# Altium PCB LimePSB-RPCM_1v3.PcbDoc (part 2 of 10) (continued)
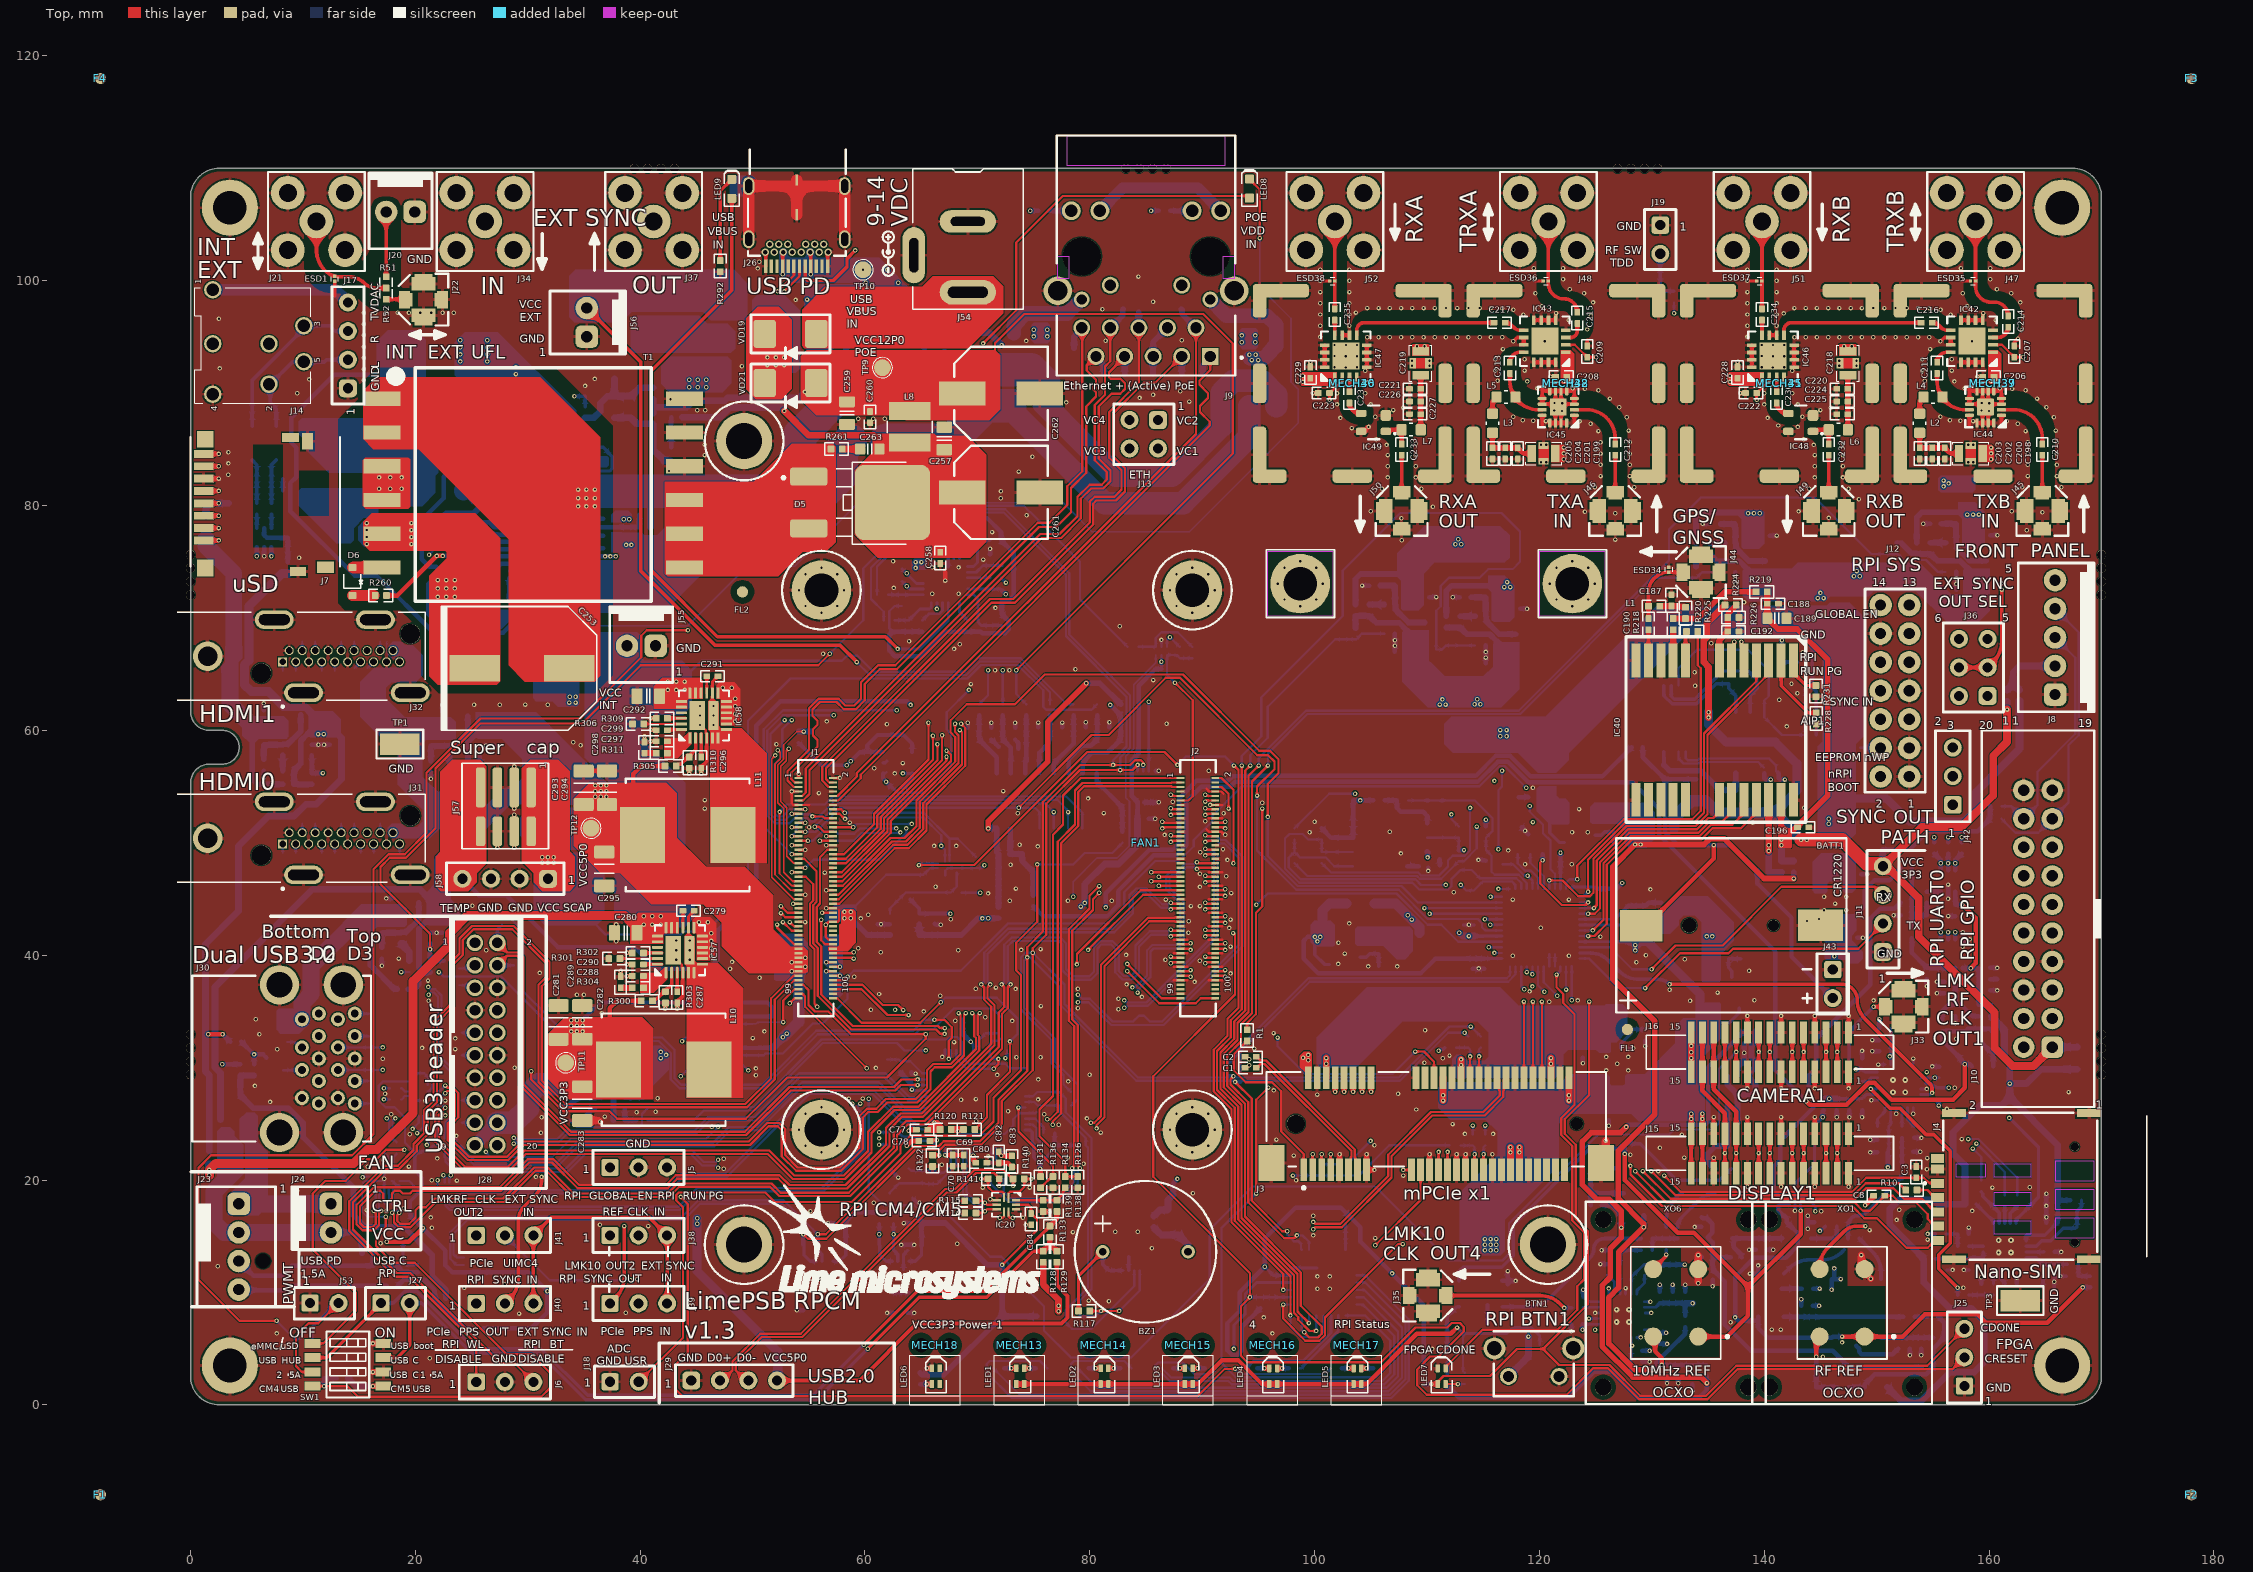
[diagram p0: Top view]
## Footprints (in the part's own frame and the unit in brackets; to place one, negate y for a bottom-side part, rotate by r counter-clockwise, add the part's x,y. Pads: shape width x height; smd on the part's side, far side on the other; paste and mask are expansions set on the pad)
12CWQ06FN_diode_array_DPAK [mm]
  round 0.508 on Mech15: 0(0,0)
  rrect25% 3.3x1.6 smd: 1(3.526,-2.3) 3(3.526,2.3)
  rrect25% 6.7x6.7 smd: 2(-3.926,0)
  silkscreen extent -5.13,-3.6 5.9,3.7, body extent -5.93,-3.37 4.17,3.37, height 2.37
74AHCT1G126SE-7_BUFFER_SOT353 [mm]
  rect 1x0.36 smd mask+0.05: 1(-0.965,0.66) 2(-0.965,0) 3(-0.965,-0.66) 4(0.965,-0.66) 5(0.965,0.66)
  silkscreen extent -1.17,-1.1 0.63,1.25, body extent -1.15,-1.05 1.15,1.05, height 1
74LVC1G3157FZ4_SPDT_SW_DFN1410-6 [mm]
  rect 0.525x0.25 smd mask+0.05: 1(-0.362,0.5) 2(-0.362,0) 3(-0.362,-0.5) 4(0.363,-0.5) 5(0.363,0) 6(0.363,0.5)
  silkscreen extent -0.82,-0.8 0.5,0.9, body extent -0.51,-0.7 0.51,0.7, height 0.4
874370443_1P5_SMD_HEADER [mm] "Supercapacitor 1.5mm pitch header"
  rrect50% 3.55x0.85 smd mask+0.05: 1(-1.95,2.25) 2(-1.95,0.75) 3(-1.95,-0.75) 4(-1.95,-2.25)
  rrect50% 2.65x0.85 smd mask+0.05: 1(1.95,2.25) 2(1.95,0.75) 3(1.95,-0.75) 4(1.95,-2.25)
  silkscreen extent -4.1,-3.9 3.5,3.8, body extent -3.25,-3.7 2.75,3.6, height 5.77
AD5601_SOT23-6 [mm] "SOT23, 6-Leads, Body 2x1.3mm, Pitch 0.65mm, Lead Span 2.1mm, IPC Medium Density"
  rect 0.85x0.4 smd mask+0.05: 1(-0.95,0.65) 2(-0.95,0) 3(-0.95,-0.65) 4(0.95,-0.65) 5(0.95,0) 6(0.95,0.65)
  silkscreen extent -1.07,-1.1 0.15,1.52, body extent -1.05,-1 1.05,1, height 0.43
AD5662_SOT23-8 [mm]
  rect 1x0.4 smd mask+0.05: 1(-1.25,0.975) 2(-1.25,0.325) 3(-1.25,-0.325) 4(-1.25,-0.975) 5(1.25,-0.975) 6(1.25,-0.325) 7(1.25,0.325) 8(1.25,0.975)
  silkscreen extent -1.29,-1.4 0.3,1.51, body extent -1.4,-1.49 1.4,1.45, height 1.2
ADF4002 [mm]
  rect 0.85x0.3 smd mask+0.05: 1(-2.05,1) 2(-2.05,0.5) 3(-2.05,0) 4(-2.05,-0.5) 5(-2.05,-1) 11(2.05,-1) 12(2.05,-0.5) 13(2.05,0) 14(2.05,0.5) 15(2.05,1)
  rect 0.3x0.85 smd mask+0.05: 6(-1,-1.9) 7(-0.5,-1.9) 8(0,-1.9) 9(0.5,-1.9) 10(1,-1.9) 16(1,1.9) 17(0.5,1.9) 18(0,1.9) 19(-0.5,1.9) 20(-1,1.9)
  rect 2.1x2.1 smd: 21(0,0)
  silkscreen extent -2.3,-2.22 2.3,2.22, body extent -2.03,-2.02 2.02,2.02, height 0.8
ADP2386 [mm] "QFN, 24-Leads, Body 4,00x4,00mm, Pitch 0,50mm, 2x thermal pads, IPC Medium Density"
  rrect50% 1x0.25 smd mask+0.05: 1(-2,1.25) 2(-2,0.75) 3(-2,0.25) 4(-2,-0.25) 5(-2,-0.75) 6(-2,-1.25) 13(2,-1.25) 14(2,-0.75) 15(2,-0.25) 16(2,0.25) 17(2,0.75) 18(2,1.25)
  rrect50% 0.25x1 smd mask+0.05: 7(-1.25,-2) 8(-0.75,-2) 9(-0.25,-2) 10(0.25,-2) 11(0.75,-2) 12(1.25,-2) 19(1.25,2) 20(0.75,2) 21(0.25,2) 22(-0.25,2) 23(-0.75,2) 24(-1.25,2)
  rect 2.55x1.4 smd mask+0.05: 25(0,0.6)
  rect 2.55x0.9 smd mask+0.05: 26(0,-0.85)
  silkscreen extent -2.22,-2.22 2.22,2.23, body extent -2,-2 2,2, height 1
AOCJYR-10.000MHz [mm]
  round 1.5 hole 1.5 unplated: 0(-7.5,6.45) 0(-7.5,-6.45) 0(7.4,-6.45) 0(7.4,6.45)
  round 1.6 smd mask+0.05: 1(-3,-2) 2(3,-2) 3(3,2) 4(-3,2)
  Top pour cut-out: 7.4,6.45 7.4,7.55 7.821,7.466 8.178,7.228 8.416,6.871 8.5,6.45 8.5,6.45
  Top pour cut-out: 7.4,6.45 7.4,5.35 6.979,5.434 6.622,5.672 6.384,6.029 6.3,6.45 6.3,6.45
  Top pour cut-out: 7.4,6.45 6.3,6.45 6.384,6.871 6.622,7.228 6.979,7.466 7.4,7.55 7.4,7.55
  Top pour cut-out: 7.4,6.45 8.5,6.45 8.416,6.029 8.178,5.672 7.821,5.434 7.4,5.35 7.4,5.35
  Top pour cut-out: -7.5,6.45 -7.5,7.55 -7.079,7.466 -6.722,7.228 -6.484,6.871 -6.4,6.45 -6.4,6.45
  Top pour cut-out: -7.5,6.45 -7.5,5.35 -7.921,5.434 -8.278,5.672 -8.516,6.029 -8.6,6.45 -8.6,6.45
  Top pour cut-out: -7.5,6.45 -8.6,6.45 -8.516,6.871 -8.278,7.228 -7.921,7.466 -7.5,7.55 -7.5,7.55
  Top pour cut-out: -7.5,6.45 -6.4,6.45 -6.484,6.029 -6.722,5.672 -7.079,5.434 -7.5,5.35 -7.5,5.35
  Top pour cut-out: -7.5,-6.45 -7.5,-5.35 -7.079,-5.434 -6.722,-5.672 -6.484,-6.029 -6.4,-6.45 -6.4,-6.45
  Top pour cut-out: -7.5,-6.45 -7.5,-7.55 -7.921,-7.466 -8.278,-7.228 -8.516,-6.871 -8.6,-6.45 -8.6,-6.45
  Top pour cut-out: -7.5,-6.45 -8.6,-6.45 -8.516,-6.029 -8.278,-5.672 -7.921,-5.434 -7.5,-5.35 -7.5,-5.35
  Top pour cut-out: -7.5,-6.45 -6.4,-6.45 -6.484,-6.871 -6.722,-7.228 -7.079,-7.466 -7.5,-7.55 -7.5,-7.55
  Top pour cut-out: 7.4,-6.45 8.5,-6.45 8.416,-6.871 8.178,-7.228 7.821,-7.466 7.4,-7.55 7.4,-7.55
  Top pour cut-out: 7.4,-6.45 6.3,-6.45 6.384,-6.029 6.622,-5.672 6.979,-5.434 7.4,-5.35 7.4,-5.35
  Top pour cut-out: 7.4,-6.45 7.4,-7.55 6.979,-7.466 6.622,-7.228 6.384,-6.871 6.3,-6.45 6.3,-6.45
  Top pour cut-out: 7.4,-6.45 7.4,-5.35 7.821,-5.434 8.178,-5.672 8.416,-6.029 8.5,-6.45 8.5,-6.45
  Top pour cut-out: 4.9,-0.5 4.9,3.9 -4.9,3.9 -4.9,-3.9 1.525,-3.9 1.525,-0.5
  silkscreen extent -9,-8 9,8, body extent -8.05,-7.01 7.95,6.99, height 10
AP7361 [mm] "Low noise LDO"
  rect 0.7x0.3 smd mask+0.05: 1(-1.375,0.975) 2(-1.375,0.325) 3(-1.375,-0.325) 4(-1.375,-0.975) 5(1.375,-0.975) 6(1.375,-0.325) 7(1.375,0.325) 8(1.375,0.975)
  rect 1.6x2.35 smd mask+0.05: 9(0,0)
  silkscreen extent -2,-1.7 2,1.7, body extent -1.52,-1.5 1.5,1.5, height 0.8
ATECC508A_UDFN8 [mm]
  rect 0.7x0.3 smd mask+0.05: 1(-1.5,0.75) 2(-1.5,0.25) 3(-1.5,-0.25) 4(-1.5,-0.75) 5(1.5,-0.75) 6(1.5,-0.25) 7(1.5,0.25) 8(1.5,0.75)
  rect 1.4x1.6 smd mask+0.05: PAD(0,0)
  silkscreen extent -1.64,-1.1 1.2,1.24, body extent -1.5,-1 1.5,1, height 0.53
Audio_jack_3.5mm [mm]
  round 1.55 hole 1.1 mask+0.05: 1(2.9,4.8) 2(7.9,-3.6) 3(11,1.6) 4(2.9,-4.5) 5(11,-1.6) 6(2.9,0) 7(7.9,0)
  silkscreen extent 1.3,-5.3 11.6,5, body extent -2.5,-5.3 11.5,4.9, height 5.2
BAS316_DIODE_SOD323#1 [mm]
  round 0.508 on Mech14: 0(0,0)
  rrect25% 0.6x0.7 smd: A(1.25,0) C(-1.25,0)
  silkscreen extent -0.63,-0.9 0.64,0.75, body extent -1.3,-0.68 1.3,0.67, height 1.1
BAS316_DIODE_SOD323#2 [mm]
  round 0.508 on Mech15: 0(0,0)
  rrect25% 0.6x0.7 smd: A(1.25,0) C(-1.25,0)
  silkscreen extent -0.63,-0.9 0.64,0.75, body extent -1.3,-0.68 1.3,0.68, height 1.1
BAT54C_SOT23-3 [mm] "SOT23, 3 pin"
  round 0.5 on Mech14: 0(0,0)
  rrect25% 1x0.6 smd: A1(-1.15,0.95) A2(-1.15,-0.95) C(1.15,0)
  silkscreen extent -1.25,-1.45 0.38,1.81, body extent -1.4,-1.45 1.4,1.45, height 1.29
BFT92,215_PNP_STO23-3 [mm]
  round 0.5 on Mech14: 0(0,0)
  rrect25% 1x0.6 smd: 1(-1.15,0.95) 2(-1.15,-0.95) 3(1.15,0)
  silkscreen extent -1.25,-1.45 0.38,1.81, body extent -1.4,-1.45 1.4,1.45, height 1.29
BUZZER_WST-1203UX [mm]
  round 1.2 hole 0.7 mask+0.05: 1(0,3.8) 2(0,-3.8)
  silkscreen extent -6.3,-6.3 6.3,6.3, body extent -6,-6.03 6,9.43, height 9.65
CAP0402#1 [mm] "Chip Capacitor, Body 1.0x0.5mm, 0402, IPC Medium Density"
  round 0.2 on Mech15: 0(0,0)
  rrect20% 0.6x0.5 smd: 1(-0.5,0) 2(0.5,0)
  Top pour cut-out: -0.2,0.35 0.2,0.35 0.2,-0.35 -0.2,-0.35
  silkscreen extent -1.05,-0.5 1.05,0.5, body extent -0.52,-0.27 0.53,0.28, height 0.55
CAP0402#2 [mm] "Chip Capacitor, Body 1.0x0.5mm, 0402, IPC Medium Density"
  round 0.2 on Mech14: 0(0,0)
  rrect20% 0.6x0.5 smd: 1(-0.5,0) 2(0.5,0)
  Top pour cut-out: -0.2,0.35 0.2,0.35 0.2,-0.35 -0.2,-0.35
  silkscreen extent -1.05,-0.5 1.05,0.5, body extent -0.52,-0.27 0.53,0.28, height 0.55
CAP0603#1 [mm] "Chip Capacitor, Body 1.6x0.8mm, 0603, IPC Medium Density"
  round 0.254 on Mech14: 0(0,0)
  rrect25% 0.9x1 smd: 1(-0.85,0) 2(0.85,0)
  Top pour cut-out: -0.4,0.6 0.4,0.6 0.4,-0.6 -0.4,-0.6
  silkscreen extent -0.18,-0.48 0.18,0.48, body extent -0.85,-0.45 0.85,0.45, height 0.89
CAP0603#2 [mm] "Chip Capacitor, Body 1.6x0.8mm, 0603, IPC Medium Density"
  round 0.254 on Mech15: 0(0,0)
  rrect25% 0.9x1 smd: 1(-0.85,0) 2(0.85,0)
  Top pour cut-out: -0.4,0.6 0.4,0.6 0.4,-0.6 -0.4,-0.6
  silkscreen extent -0.18,-0.48 0.18,0.48, body extent -0.85,-0.45 0.85,0.45, height 0.89
CAP0805#1 [mm] "Chip Capacitor, Body 2.0x1.2mm, 0805, IPC Medium Density"
  round 0.254 on Mech15: 0(0,0)
  rrect25% 1x1.4 smd: 1(-1,0) 2(1,0)
  Top pour cut-out: -0.4,0.8 0.4,0.8 0.4,-0.8 -0.4,-0.8
  silkscreen extent -0.15,-0.65 0.15,0.65, body extent -1.1,-0.72 1.1,0.73, height 1.34
CAP0805#2 [mm] "Chip Capacitor, Body 2.0x1.2mm, 0805, IPC Medium Density"
  round 0.254 on Mech14: 0(0,0)
  rrect25% 1x1.4 smd: 1(-1,0) 2(1,0)
  Top pour cut-out: -0.4,0.8 0.4,0.8 0.4,-0.8 -0.4,-0.8
  silkscreen extent -0.15,-0.65 0.15,0.65, body extent -1.1,-0.72 1.1,0.73, height 1.34
CAP0805_FEEDTHROUGH [mm]
  rect 0.75x1.5 smd mask+0.05: 1(-1.05,0) 3(1.05,0)
  rect 0.9x0.6 smd mask+0.05: 2(0,0.7) 2(0,-0.7)
  Top region: -0.375,-0.4
  Top region: -0.45,-0.675 -0.45,0.675 0.45,0.675 0.45,-0.675
  Top region: 0.375,0.425
  silkscreen extent -1.6,-1 1.6,1, body extent -1,-0.62 1,0.63, height 1.13
CAP1206#1 [mm] "Chip Capacitor, Body 3.2x1.6mm, 1206, IPC Medium Density"
  round 0.508 on Mech14: 0(0,0)
  rrect25% 1.15x1.8 smd: 1(-1.5,0) 2(1.5,0)
  silkscreen extent -0.4,-0.88 0.4,0.88, body extent -1.7,-0.9 1.7,0.9, height 1.74
CAP1206#2 [mm] "Chip Capacitor, Body 3.2x1.6mm, 1206, IPC Medium Density"
  round 0.508 on Mech15: 0(0,0)
  rrect25% 1.15x1.8 smd: 1(-1.5,0) 2(1.5,0)
  silkscreen extent -0.4,-0.88 0.4,0.88, body extent -1.7,-0.9 1.7,0.9, height 1.74
CAP1812 [mm] "Chip Capacitor, Body 3.2x2.5mm, 1210, IPC Medium Density"
  round 0.508 on Mech14: 0(0,0)
  rrect25% 1.5x3.6 smd: 1(-2,0) 2(2,0)
  silkscreen extent -0.4,-1.4 0.4,1.4, body extent -2.4,-1.7 2.4,1.8, height 1.54
CAP_POL_D10_H10 [mm]
  rect 4.5x2.35 smd: 1(-4.2,0) 2(4.2,0)
  silkscreen extent -6.65,-5.5 6.68,5.5, body extent -5.9,-5.25 5.9,5.25, height 10.3
CAP_POL_SIZE_F_v2 [mm]
  rect 4.15x2.15 smd: 1(-3.45,0) 2(3.45,0)
  silkscreen extent -4.15,-4.15 4.15,4.15, body extent -3.63,-3.3 3.57,3.3, height 5.55
CONN_PWR_JACK_v2 [mm] "Power Connector, 2.1mm ID, 5.5mm OD"
  oval 5x2.2 hole 1 slot 3.56 at 0 deg: 1(0,-14)
  oval 5x2 hole 0.8 slot 3.05 at 0 deg: 2(0,-7.7)
  oval 2x5 hole 0.8 slot 3.05 at 90 deg: 3(-4.8,-10.7)
  silkscreen extent -4.9,-15.5 4.93,-3, body extent -4.9,-14.1 4.5,0, height 11
CR1220_SMD_holder [mm]
  round 1 hole 1 unplated mask+0.05: MECH(-3.5,0)
  round 1.3 hole 1.3 unplated mask+0.05: MECH(4,0)
  rect 4x2.8 smd mask+0.05: NEGATIVE(-7.7,0)
  rect 3.8x2.8 smd mask+0.05: POSITIVE(8.275,0.025)
  silkscreen extent -10,-7.75 10.5,7.75, body extent -8.75,-7.5 9.75,7.5, height 3.94
CRYSTAL_2PIN_RTC_RT3215 [mm]
  rrect50% 1x1.8 smd mask+0.05: 1(-1.25,0) 2(1.25,0)
  silkscreen extent -2,-1.1 2,1.1, body extent -1.61,-0.76 1.61,0.76, height 0.91
CRYSTAL_4-LCC [mm] "SMD Crystal 4-lead leadless package"
  round 0.508 on Mech14: 0(0,0)
  rrect25% 1.4x1.2 smd: 1(-1.1,-0.85) 2(1.1,-0.85) 3(1.1,0.85) 4(-1.1,0.85)
  silkscreen extent -2.3,-1.6 2,1.6, body extent -1.65,-1.3 1.65,1.3, height 0.8
CRYSTAL_4-LCC_2P5x2P0 [mm] "SMD Crystal 4-lead leadless package 2.5x2.0 mm"
  rrect25% 0.9x0.9 smd: 1(-1.1,-0.725) 2(1.1,-0.725) 3(1.1,0.725) 4(-1.1,0.725)
  silkscreen extent -1.92,-1.28 0.38,1.28, body extent -1.25,-1 1.25,1, height 0.95
DUAL_USB-C_632723100011 [mm]
  rect 0.3x1.2 smd mask+0.05: A1(-2.75,5.93) A2(-2.25,5.93) A3(-1.75,5.93) A4(-1.25,5.93) A5(-0.75,5.93) A6(-0.25,5.93) A7(0.25,5.93) A8(0.75,5.93) A9(1.25,5.93) A10(1.75,5.93) A11(2.25,5.93) A12(2.75,5.93)
  round 0.65 hole 0.4 mask+0.04: B1(2.8,4.68) B2(2.4,3.98) B3(1.6,3.98) B4(1.2,4.68) B5(0.8,3.98) B6(0.4,4.68) B7(-0.4,4.68) B8(-0.8,3.98) B9(-1.2,4.68) B10(-1.6,3.98) B11(-2.4,3.98) B12(-2.8,4.68) GND(-2,4.68) GND1(2,4.68)
  oval 1x1.6 hole 0.6 slot 1.2 at 90 deg mask+0.05: Shell(-4.27,3.53) Shell(-4.27,-1.2) Shell(4.27,3.53) Shell(4.27,-1.2)
  rect 0.2x1 smd mask+0.05: Shell(0,1.35) Shell(0,-1.75)
  silkscreen extent -4.37,-4.45 4.34,5, body extent -4.37,-5.6 4.37,6.19, height 3.05
Dual_USB_48406-0003_Molex [mm]
  round 1.25 hole 0.7 paste-0.61 mask+0: 1(-3.5,-1.35) 2(-1,-1.35) 3(1,-1.35) 4(3.5,-1.35) 5(4,0.15) 6(2,0.15) 7(0,0.15) 8(-2,0.15) 9(-4,0.15) 10(-3.5,1.85) 11(-1,1.85) 12(1,1.85) 13(3.5,1.85) 14(4,3.35) 15(2,3.35) 16(0,3.35) 17(-2,3.35) 18(-4,3.35)
  round 3.5 hole 2.3 paste-1.156 mask-1.156: SHIELD(-6.57,-3.35) SHIELD(-6.57,2.33) SHIELD(6.57,-3.35) SHIELD(6.57,2.33)
  silkscreen extent -7.38,-11.11 7.38,4.8, body extent -7.84,-12.81 7.84,4.65, height 16.2
EMC2301-1-ACZL-TR_MOTOR_DRIVER_TSSOP8 [mm]
  rrect50% 1.7x0.45 smd paste+0 mask+0.05: 1(-2.05,0.975) 2(-2.05,0.325) 3(-2.05,-0.325) 4(-2.05,-0.975) 5(2.05,-0.975) 6(2.05,-0.325) 7(2.05,0.325) 8(2.05,0.975)
  silkscreen extent -2.58,-1.5 0.67,1.68, body extent -2.45,-1.5 2.45,1.5, height 1.1
ER2D-LTP_DIODE_DO-214AA [mm]
  round 0.508 on Mech14: 0(0,0)
  rrect25% 2x2.5 smd: A(2.3,0) C(-2.3,0)
  silkscreen extent -3.5,-2.2 3.5,1.7, body extent -2.7,-1.8 2.7,1.8, height 2.3
ESD8472_X3DFN2 [mm]
  rect 0.31x0.3 smd mask+0.05: 1(-0.225,0) 2(0.225,0)
  silkscreen extent -0.2,-0.33 0.2,0.33, body extent -0.34,-0.17 0.34,0.18, height 0.33
FAN_80mm_V1 [mm]
  round 5 hole 3.2 mask+0.05: 1(-35.75,-35.75) 1(-35.75,35.75) 1(35.75,-35.75)
  body extent -66.34,-40 40,40, height 30
FDMS86250_NMOS_POWER56 [mm]
  rect 0.61x1.27 smd mask+0.05: 1(-1.905,-2.67) 2(-0.635,-2.67) 3(0.635,-2.67) 4(1.905,-2.67)
  rect 0.61x0.77 smd mask+0.05: 5(1.905,2.92) 6(0.635,2.92) 7(-0.635,2.92) 8(-1.905,2.92)
  rect 0.255x0.5 smd mask+0.05: 5(2.083,2.285) 8(-2.083,2.285)
  rect 3.91x3.75 smd mask+0.05: PAD(0,0.66)
  silkscreen extent -2.6,-3.7 2.45,2.88, body extent -2.45,-3.24 2.45,3.24, height 1.2
FDVE1040_TOKO_INDUCTOR [mm] "Precision Wire Wound Inductor"
  rect 4x5 smd: 1(-4.025,0) 2(4.025,0)
  silkscreen extent -5.5,-5 5.5,5, body extent -5.55,-5.26 5.45,5.26, height 4.72
Fiducial [mm]
  round 1 smd paste-1 mask+1: 1(0,0)
  Top pour cut-out: 0,1.5 -0.574,1.386 -1.061,1.061 -1.386,0.574 -1.5,0 -1.5,0 -1.386,-0.574 -1.061,-1.061 -0.574,-1.386 0,-1.5 0,-1.5 0.574,-1.386 1.061,-1.061 1.386,-0.574 1.5,0 1.5,0 1.386,0.574 1.061,1.061 0.574,1.386 0,1.5
Fiducial_local [mm]
  round 1 smd paste-1 mask+0.5: 1(0,0)
  Top pour cut-out: -1.05,0 -0.97,-0.402 -0.742,-0.742 -0.402,-0.97 0,-1.05 0,-1.05 0.402,-0.97 0.742,-0.742 0.97,-0.402 1.05,0 1.05,0 0.97,0.402 0.742,0.742 0.402,0.97 0,1.05 0,1.05 -0.402,0.97 -0.742,0.742 -0.97,0.402 -1.05,0
FP-DF40C-100DS-0.4V(51) [mm]
  rect 0.2x0.7 smd mask+0: 1(-9.8,-1.54) 2(-9.8,1.54) 3(-9.4,-1.54) 4(-9.4,1.54) 5(-9,-1.54) 6(-9,1.54) 7(-8.6,-1.54) 8(-8.6,1.54) 9(-8.2,-1.54) 10(-8.2,1.54) 11(-7.8,-1.54) 12(-7.8,1.54) 13(-7.4,-1.54) 14(-7.4,1.54) 15(-7,-1.54) 16(-7,1.54) 17(-6.6,-1.54) 18(-6.6,1.54) 19(-6.2,-1.54) 20(-6.2,1.54) 21(-5.8,-1.54) 22(-5.8,1.54) 23(-5.4,-1.54) 24(-5.4,1.54) 25(-5,-1.54) 26(-5,1.54) 27(-4.6,-1.54) 28(-4.6,1.54) 29(-4.2,-1.54) 30(-4.2,1.54) 31(-3.8,-1.54) 32(-3.8,1.54) 33(-3.4,-1.54) 34(-3.4,1.54) 35(-3,-1.54) 36(-3,1.54) 37(-2.6,-1.54) 38(-2.6,1.54) 39(-2.2,-1.54) 40(-2.2,1.54) 41(-1.8,-1.54) 42(-1.8,1.54) 43(-1.4,-1.54) 44(-1.4,1.54) 45(-1,-1.54) 46(-1,1.54) 47(-0.6,-1.54) 48(-0.6,1.54) 49(-0.2,-1.54) 50(-0.2,1.54) 51(0.2,-1.54) 52(0.2,1.54) 53(0.6,-1.54) 54(0.6,1.54) 55(1,-1.54) 56(1,1.54) 57(1.4,-1.54) 58(1.4,1.54) 59(1.8,-1.54) 60(1.8,1.54) 61(2.2,-1.54) 62(2.2,1.54) 63(2.6,-1.54) 64(2.6,1.54) 65(3,-1.54) 66(3,1.54) 67(3.4,-1.54) 68(3.4,1.54) 69(3.8,-1.54) 70(3.8,1.54) 71(4.2,-1.54) 72(4.2,1.54) 73(4.6,-1.54) 74(4.6,1.54) 75(5,-1.54) 76(5,1.54) 77(5.4,-1.54) 78(5.4,1.54) 79(5.8,-1.54) 80(5.8,1.54) 81(6.2,-1.54) 82(6.2,1.54) 83(6.6,-1.54) 84(6.6,1.54) 85(7,-1.54) 86(7,1.54) 87(7.4,-1.54) 88(7.4,1.54) 89(7.8,-1.54) 90(7.8,1.54) 91(8.2,-1.54) 92(8.2,1.54) 93(8.6,-1.54) 94(8.6,1.54) 95(9,-1.54) 96(9,1.54) 97(9.4,-1.54) 98(9.4,1.54) 99(9.8,-1.54) 100(9.8,1.54)
  silkscreen extent -11.4,-1.57 11.4,1.57, body extent -11.3,-1.69 11.3,1.69, height 1.4
FPC_CONNECTOR_15pin_1-1734248-5 [mm]
  rect 0.6x2 smd mask+0.05: 1(7,-1.75) 1(7,1.75) 2(6,-1.75) 2(6,1.75) 3(5,-1.75) 3(5,1.75) 4(4,1.75) 4(4,-1.75) 5(3,-1.75) 5(3,1.75) 6(2,-1.75) 6(2,1.75) 7(1,-1.75) 7(1,1.75) 8(0,-1.75) 8(0,1.75) 9(-1,-1.75) 9(-1,1.75) 10(-2,-1.75) 10(-2,1.75) 11(-3,-1.75) 11(-3,1.75) 12(-4,-1.75) 12(-4,1.75) 13(-5,-1.75) 13(-5,1.75) 14(-6,-1.75) 14(-6,1.75) 15(-7,-1.75) 15(-7,1.75)
  silkscreen extent -11,-1.5 11,1.5, body extent -11.2,-2.45 11.2,2.4, height 5.68
FSUSB42UMX#1 [mm]
  rect 0.91x0.2 smd mask+0.04: 1(-0.6,0.2)
  rect 0.81x0.2 smd mask+0.04: 2(-0.65,-0.2) 6(0.65,-0.2) 7(0.65,0.2)
  rect 0.2x0.72 smd mask+0.04: 3(-0.4,-0.85) 4(0,-0.85) 5(0.4,-0.85) 8(0.4,0.85) 9(0,0.85) 10(-0.4,0.85)
  silkscreen extent -1.08,-1.28 1.08,1.28, body extent -0.7,-0.9 0.7,0.9, height 0.51
FSUSB42UMX#2 [mm]
  rect 0.91x0.2 smd mask+0.03: 1(-0.6,0.2)
  rect 0.81x0.2 smd mask+0.03: 2(-0.65,-0.2) 6(0.65,-0.2) 7(0.65,0.2)
  rect 0.2x0.77 smd mask+0.03: 3(-0.4,-0.85) 4(0,-0.85) 5(0.4,-0.85) 8(0.4,0.85) 9(0,0.85) 10(-0.4,0.85)
  silkscreen extent -1.08,-1.28 1.08,1.28, body extent -0.7,-0.9 0.7,0.9, height 0.51
FSUSB42UMX#3 [mm]
  rect 0.91x0.22 smd mask+0.03: 1(-0.6,0.2)
  rect 0.81x0.22 smd mask+0.03: 2(-0.65,-0.2) 6(0.65,-0.2) 7(0.65,0.2)
  rect 0.22x0.75 smd mask+0.03: 3(-0.4,-0.85) 4(0,-0.85) 5(0.4,-0.85) 8(0.4,0.85) 9(0,0.85) 10(-0.4,0.85)
  silkscreen extent -1.08,-1.27 1.08,1.28, body extent -0.7,-0.9 0.7,0.9, height 0.51
FUSB340TMX_USB_SWITCH_18-XFQFN [mm]
  rrect50% 0.6x0.2 smd mask+0.035: 1(-0.977,0.8)
  rrect75% 0.6x0.2 smd mask+0.035: 2(-0.977,0.4) 3(-0.977,0) 4(-0.977,-0.4) 5(-0.977,-0.8) 10(0.977,-0.8) 11(0.977,-0.4) 12(0.977,0) 13(0.977,0.4) 14(0.977,0.8)
  rrect75% 0.2x0.6 smd mask+0.035: 6(-0.6,-1.377) 7(-0.2,-1.377) 8(0.2,-1.377) 9(0.6,-1.377) 15(0.6,1.377) 16(0.2,1.377) 17(-0.2,1.377) 18(-0.6,1.377)
  rrect50% 1x1.8 smd mask+0.035: PAD(0,0)
  silkscreen extent -1.4,-1.8 1.4,1.8, body extent -1,-1.4 1,1.4, height 0.4
HDMI_2007435-3 [mm]
  rect 0.8x0.8 / inner round 0.8 / far side rect 0.8x0.8 hole 0.6: 1(0,0)
  round 0.8 hole 0.6: 2(-0.577,-1) 3(-1.155,0) 4(-1.733,-1) 5(-2.31,0) 6(-2.887,-1) 7(-3.465,0) 8(-4.043,-1) 9(-4.62,0) 10(-5.198,-1) 11(-5.775,0) 12(-6.352,-1) 13(-6.93,0) 14(-7.508,-1) 15(-8.085,0) 16(-8.662,-1) 17(-9.24,0) 18(-9.818,-1) 19(-10.395,0)
  oval 3.46x1.66 hole 0.95 slot 2.75 at 0 deg: S1(-1.85,2.75) S2(-11.35,2.75) S3(-8.25,-3.75) S4(0.75,-3.75)
  round 2.625 hole 1.75: S5(6.68,-0.5)
  round 1.75 hole 1.75 unplated mask+0.254: ""(-11.35,-2.5) ""(1.9,1)
  silkscreen extent -12.66,-4.4 9.4,4.07, body extent -12.7,-4.41 10.4,3.46, height 16.43
HDR_1x2 [mm]
  rrect25% 1.524x1.524 hole 0.9: 1(0,1.27)
  round 1.6 hole 0.9: 2(0,-1.27)
  silkscreen extent -1.4,-2.68 1.4,2.68, body extent -1.27,-2.54 1.27,2.54, height 8.54
HDR_1x3 [mm]
  rrect25% 1.524x1.524 hole 0.9: 1(0,2.54)
  round 1.6 hole 0.9: 2(0,0) 3(0,-2.54)
  silkscreen extent -1.53,-4.05 1.53,4.05, body extent -1.27,-3.81 1.27,3.81, height 8.54
Header1x2_TH_LOCKING [mm]
  rrect50% 2x2 hole 1: 1(1.271,0)
  round 2 hole 1: 2(-1.271,0)
  silkscreen extent -2.8,-3.28 2.8,3.45, body extent -2.54,-2.9 2.54,2.9, height 11.52
Header1x4_TH_LOCKING_v2 [mm]
  round 0.25 hole 1.3 unplated mask+0.05: 0(-1.271,-2.16)
  rrect50% 2x2 hole 1: 1(3.814,0)
  round 2 hole 1: 2(1.271,0) 3(-1.271,0) 4(-3.814,0)
  silkscreen extent -5.34,-3.28 5.34,3.7, body extent -5.1,-2.54 5.1,3.3, height 9.84
Header1x5_TH_LOCKING [mm]
  rrect50% 2x2 hole 1: 1(5.086,0)
  round 2 hole 1: 2(2.543,0) 3(0,0) 4(-2.543,0) 5(-5.086,0)
  silkscreen extent -6.61,-3.28 6.61,3.45, body extent -6.35,-2.9 6.35,2.9, height 11.52
HEADER2X2_TH [mm]
  rrect50% 1.6x1.6 hole 0.9: 1(-1.271,-1.271)
  round 1.6 hole 0.9: 2(-1.271,1.271) 3(1.271,-1.271) 4(1.271,1.271)
  silkscreen extent -2.7,-2.68 2.68,2.7, body extent -2.54,-2.54 2.54,2.54, height 8.54
Header3x2 [mm]
  rrect50% 1.6x1.6 hole 0.9: 1(-1.271,-1.271)
  round 1.6 hole 0.9: 2(-1.271,1.271) 3(1.271,-1.271) 4(1.271,1.271) 5(3.814,-1.271) 6(3.814,1.271)
  silkscreen extent -2.68,-2.68 5.23,2.68, body extent -2.54,-2.54 5.08,2.54, height 8.54
HEADER4X1_TH [mm]
  rrect50% 1.6x1.6 hole 0.9: 1(-3.814,0)
  round 1.6 hole 0.9: 2(-1.271,0) 3(1.271,0) 4(3.814,0)
  silkscreen extent -5.23,-1.43 5.23,1.4, body extent -5.08,-1.27 5.08,1.27, height 8.54
Header7x2_TH [mm] "JTAG"
  round 2 hole 1: 1(-7.629,-1.271) 2(-7.629,1.271) 3(-5.086,-1.271) 4(-5.086,1.271) 5(-2.543,-1.271) 6(-2.543,1.271) 7(0,-1.271) 8(0,1.271) 9(2.543,-1.271) 10(2.543,1.271) 11(5.086,-1.271) 12(5.086,1.271) 13(7.629,-1.271) 14(7.629,1.271)
  silkscreen extent -9.03,-2.7 9.04,2.68, body extent -8.9,-2.54 8.9,2.54, height 8.54
Header10x2_TH_2MM [mm]
  round 1.478 hole 0.95: 1(-9,-1) 2(-9,1) 3(-7,-1) 4(-7,1) 5(-5,-1) 6(-5,1) 7(-3,-1) 8(-3,1) 9(-1,-1) 10(-1,1) 11(1,-1) 12(1,1) 13(3,-1) 14(3,1) 15(5,-1) 16(5,1) 17(7,-1) 18(7,1) 19(9,-1) 20(9,1)
  silkscreen extent -11.4,-3.2 11.4,3.2, body extent -11.32,-3.15 11.33,3.15, height 6.4
HEADER10X2_TH_LOCK [mm]
  rrect50% 1.9x1.9 hole 1 mask+0.05: 1(-11.43,-1.27)
  round 1.9 hole 1 mask+0.05: 2(-11.43,1.27) 3(-8.89,-1.27) 4(-8.89,1.27) 5(-6.35,-1.27) 6(-6.35,1.27) 7(-3.81,-1.27) 8(-3.81,1.27) 9(-1.27,-1.27) 10(-1.27,1.27) 11(1.27,-1.27) 12(1.27,1.27) 13(3.81,-1.27) 14(3.81,1.27) 15(6.35,-1.27) 16(6.35,1.27) 17(8.89,-1.27) 18(8.89,1.27) 19(11.43,-1.27) 20(11.43,1.27)
  silkscreen extent -16.75,-5.6 16.75,5, body extent -16.51,-4.5 16.51,4.6, height 9
HWSON8_LM75 [mm]
  rect 0.625x0.25 smd mask+0.05: 1(-1.4,0.75) 2(-1.4,0.25) 3(-1.4,-0.25) 4(-1.4,-0.75) 5(1.4,-0.75) 6(1.4,-0.25) 7(1.4,0.25) 8(1.4,0.75)
  rect 1.6x1.6 smd mask+0.05: 9(0,0)
  silkscreen extent -1.9,-1.63 1.9,1.6, body extent -1.51,-1.5 1.51,1.5, height 0.8
ICE5LP4K-SG48ITR_Lattice_FPGA_QFN48 [mm]
  rrect50% 0.85x0.25 smd mask+0.05: 1(-3.45,2.75) 2(-3.45,2.25) 3(-3.45,1.75) 4(-3.45,1.25) 5(-3.45,0.75) 6(-3.45,0.25) 7(-3.45,-0.25) 8(-3.45,-0.75) 9(-3.45,-1.25) 10(-3.45,-1.75) 11(-3.45,-2.25) 12(-3.45,-2.75) 25(3.45,-2.75) 26(3.45,-2.25) 27(3.45,-1.75) 28(3.45,-1.25) 29(3.45,-0.75) 30(3.45,-0.25) 31(3.45,0.25) 32(3.45,0.75) 33(3.45,1.25) 34(3.45,1.75) 35(3.45,2.25) 36(3.45,2.75)
  rrect50% 0.25x0.85 smd mask+0.05: 13(-2.75,-3.45) 14(-2.25,-3.45) 15(-1.75,-3.45) 16(-1.25,-3.45) 17(-0.75,-3.45) 18(-0.25,-3.45) 19(0.25,-3.45) 20(0.75,-3.45) 21(1.25,-3.45) 22(1.75,-3.45) 23(2.25,-3.45) 24(2.75,-3.45) 37(2.75,3.45) 38(2.25,3.45) 39(1.75,3.45) 40(1.25,3.45) 41(0.75,3.45) 42(0.25,3.45) 43(-0.25,3.45) 44(-0.75,3.45) 45(-1.25,3.45) 46(-1.75,3.45) 47(-2.25,3.45) 48(-2.75,3.45)
  rrect10% 5.3x5.3 smd mask+0.05: PAD(0,0)
  silkscreen extent -4,-4 4,4, body extent -3.51,-3.51 3.51,3.51, height 0.78
IRF9358TRPBF_DUAL_NMOS_SOIC8 [mm] "8-Pin Small Outline Integrated Circuit 1.27 mm Pitch"
  oval 1.7x0.6 smd mask+0.05: 1(-2.55,1.905) 2(-2.55,0.635) 3(-2.55,-0.635) 4(-2.55,-1.905) 5(2.55,-1.905) 6(2.55,-0.635) 7(2.55,0.635) 8(2.55,1.905)
  silkscreen extent -2.57,-2.5 1.2,2.88, body extent -3,-2.45 3,2.45, height 1.75
KMB210S_RECTIFIER_BRIDGE [mm]
  rect 0.9x1.84 smd mask+0.05: 1(1.2,3) 2(-1.2,3) 3(-1.2,-3) 4(1.2,-3)
  Top pour cut-out: -2.5,-1.3 -2.5,1.3 2.525,1.3 2.525,-1.3
  silkscreen extent -3.28,-2.97 3.29,3.46, body extent -2.31,-3.35 2.41,3.35, height 2.71
LED-2x0603 [mm]
  round 0.254 on Mech15: 0(0,0)
  rrect25% 0.7x0.4 smd: 1(-0.775,0.325) 2(-0.775,-0.375) 3(0.625,0.325) 4(0.625,-0.375)
  Top pour cut-out: -0.5,0.5 0.5,0.5 0.5,-0.5 -0.5,-0.5
  silkscreen extent -1.55,-0.95 1.68,0.9, body extent -0.8,-0.42 0.8,0.38, height 0.75
LED-0603-GREEN [mm]
  round 0.254 on Mech15: 0(0,0)
  rrect25% 0.8x0.8 smd: A(-0.85,0) K(0.85,0)
  Top pour cut-out: -0.5,0.5 0.5,0.5 0.5,-0.5 -0.5,-0.5
  silkscreen extent -1.55,-0.67 1.68,0.67, body extent -0.8,-0.4 0.8,0.4, height 0.75
LIGHT_PIPE_RIGHT_ANGLE_SLP3-200-100-F [mm]
  round 0.9 hole 1.3 unplated: 0(0,1.225) 0(0,-1.275)
  Top pour cut-out: 0,-1.275 -1.1,-1.275 -1.1,-1.166 -1.058,-0.954 -0.975,-0.754 -0.854,-0.573 -0.701,-0.42 -0.521,-0.3 -0.321,-0.217 -0.108,-0.175 0,-0.175 0,-0.175
  Top pour cut-out: 0,-1.275 1.1,-1.275 1.1,-1.383 1.058,-1.595 0.975,-1.796 0.854,-1.976 0.701,-2.129 0.521,-2.249 0.321,-2.332 0.108,-2.375 0,-2.375 0,-2.375
  Top pour cut-out: 0,-1.275 0,-2.375 -0.108,-2.375 -0.321,-2.332 -0.521,-2.249 -0.701,-2.129 -0.854,-1.976 -0.975,-1.796 -1.058,-1.595 -1.1,-1.383 -1.1,-1.275 -1.1,-1.275
  Top pour cut-out: 0,-1.275 0,-0.175 0.108,-0.175 0.321,-0.217 0.521,-0.3 0.701,-0.42 0.854,-0.573 0.975,-0.754 1.058,-0.954 1.1,-1.166 1.1,-1.275 1.1,-1.275
  Top pour cut-out: 0,1.225 -1.1,1.225 -1.1,1.334 -1.058,1.546 -0.975,1.746 -0.854,1.927 -0.701,2.08 -0.521,2.2 -0.321,2.283 -0.108,2.325 0,2.325 0,2.325
  Top pour cut-out: 0,1.225 1.1,1.225 1.1,1.117 1.058,0.905 0.975,0.704 0.854,0.524 0.701,0.371 0.521,0.251 0.321,0.168 0.108,0.125 0,0.125 0,0.125
  Top pour cut-out: 0,1.225 0,0.125 -0.108,0.125 -0.321,0.168 -0.521,0.251 -0.701,0.371 -0.854,0.524 -0.975,0.704 -1.058,0.905 -1.1,1.117 -1.1,1.225 -1.1,1.225
  Top pour cut-out: 0,1.225 0,2.325 0.108,2.325 0.321,2.283 0.521,2.2 0.701,2.08 0.854,1.927 0.975,1.746 1.058,1.546 1.1,1.334 1.1,1.225 1.1,1.225
  silkscreen extent 0.89,-2.29 5.3,2.21, body extent -1.07,-2.32 7.82,2.21, height 6.62
LMK00105SQ [mm] "QFN, 24-Leads, Body 4,00x4,00mm, Pitch 0,50mm, Thermal Pad 2,60x2,60mm, IPC Medium Density"
  oval 0.9x0.25 smd mask+0.05: 1(-1.925,1.25) 2(-1.925,0.75) 3(-1.925,0.25) 4(-1.925,-0.25) 5(-1.925,-0.75) 6(-1.925,-1.25) 13(1.925,-1.25) 14(1.925,-0.75) 15(1.925,-0.25) 16(1.925,0.25) 17(1.925,0.75) 18(1.925,1.25)
  oval 0.25x0.9 smd mask+0.05: 7(-1.25,-1.925) 8(-0.75,-1.925) 9(-0.25,-1.925) 10(0.25,-1.925) 11(0.75,-1.925) 12(1.25,-1.925) 19(1.25,1.925) 20(0.75,1.925) 21(0.25,1.925) 22(-0.25,1.925) 23(-0.75,1.925) 24(-1.25,1.925)
  rect 2.5x2.5 smd mask+0.05: 25(0,0)
  silkscreen extent -2.3,-2.3 2.3,2.3, body extent -2,-2 2,2, height 1
M24128-DFMC6TG [mm] "8-UFDFPN (2x3)"
  rect 0.65x0.3 smd mask+0.045: 1(-1.4,0.75) 2(-1.4,0.25) 3(-1.4,-0.25) 4(-1.4,-0.75) 5(1.4,-0.75) 6(1.4,-0.25) 7(1.4,0.25) 8(1.4,0.75)
  rect 1.7x1.7 smd mask+0.05: PAD(0,0)
  silkscreen extent -2.06,-1.1 0.9,1.1, body extent -1.52,-1.01 1.52,0.99, height 0.9
MCP3208-CI/SL_SOIC16 [mm] "SOIC, 16-Leads, Body 9.9x3.9mm, Pitch 1.27mm, IPC Low Density"
  oval 2.5x0.7 smd: 1(-2.45,4.445) 2(-2.45,3.175) 3(-2.45,1.905) 4(-2.45,0.635) 5(-2.45,-0.635) 6(-2.45,-1.905) 7(-2.45,-3.175) 8(-2.45,-4.445) 9(2.45,-4.445) 10(2.45,-3.175) 11(2.45,-1.905) 12(2.45,-0.635) 13(2.45,0.635) 14(2.45,1.905) 15(2.45,3.175) 16(2.45,4.445)
  silkscreen extent -2.57,-5 0.8,5.47, body extent -3,-4.95 3,4.95, height 1.4
MCP23017-E/ML_QFN28 [mm]
  rrect50% 1.15x0.3 smd mask+0.05: 1(-2.925,1.95) 2(-2.925,1.3) 3(-2.925,0.65) 4(-2.925,0) 5(-2.925,-0.65) 6(-2.925,-1.3) 7(-2.925,-1.95) 15(2.925,-1.95) 16(2.925,-1.3) 17(2.925,-0.65) 18(2.925,0) 19(2.925,0.65) 20(2.925,1.3) 21(2.925,1.95)
  rrect50% 0.3x1.15 smd mask+0.05: 8(-1.95,-2.925) 9(-1.3,-2.925) 10(-0.65,-2.925) 11(0,-2.925) 12(0.65,-2.925) 13(1.3,-2.925) 14(1.95,-2.925) 22(1.95,2.925) 23(1.3,2.925) 24(0.65,2.925) 25(0,2.925) 26(-0.65,2.925) 27(-1.3,2.925) 28(-1.95,2.925)
  rect 4.2x4.2 smd mask+0.05: PAD(0,0)
  silkscreen extent -3.5,-3.5 3.5,3.5, body extent -3.05,-3.05 3.05,3.05, height 1.01
MICRO_SD_CARD_114-00841-68_v2 [mm]
  rect 0.7x1.75 smd mask+0.1: 1(3.2,-5.412) 6(-2.3,-5.412)
  rect 0.701x1.753 smd mask+0.1: 2(2.1,-5.412) 8(-4.5,-5.412)
  rect 0.701x1.752 smd mask+0.1: 3(1,-5.412) 4(-0.1,-5.412) 5(-1.2,-5.412) 7(-3.4,-5.412)
  rect 1.501x1.501 smd mask+0.1: 9(-5.8,-5.288)
  rect 1.502x1.502 smd mask+0.1: 10(5.65,-5.288)
  rect 0.801x1.501 smd mask+0.1: 11(-5.975,2.312)
  rect 0.8x1.401 smd mask+0.1: 12(5.975,2.963)
  rect 1.5x1 smd mask+0.1: 13(-5.62,3.812)
  rect 1.001x1.502 smd mask+0.1: 14(5.575,5.413)
  Top pour cut-out: 3.8,-1 -5.3,-1 -5.3,1.6 3.8,1.6
  Top pour cut-out: 1,3.1 -3,3.1 -3,5.7 1,5.7
  silkscreen extent -6,-6.6 5.5,6.7, body extent -6,-9.9 6,5.75, height 1.6
MINIPCIE_CONNECTOR_XTRX [mm]
  rect 0.6x2 smd paste+0 mask+0: 1(-11.8,-4.5) 2(-11.4,3.7) 3(-11,-4.5) 4(-10.6,3.7) 5(-10.2,-4.5) 6(-9.8,3.7) 7(-9.4,-4.5) 8(-9,3.7) 9(-8.6,-4.5) 10(-8.2,3.7) 11(-7.8,-4.5) 12(-7.4,3.7) 13(-7,-4.5) 14(-6.6,3.7) 15(-6.2,-4.5) 16(-5.8,3.7) 17(-2.2,-4.5) 18(-1.8,3.7) 19(-1.4,-4.5) 20(-1,3.7) 21(-0.6,-4.5) 22(-0.2,3.7) 23(0.2,-4.5) 24(0.6,3.7) 25(1,-4.5) 26(1.4,3.7) 27(1.8,-4.5) 28(2.2,3.7) 29(2.6,-4.5) 30(3,3.7) 31(3.4,-4.5) 32(3.8,3.7) 33(4.2,-4.5) 34(4.6,3.7) 35(5,-4.5) 36(5.4,3.7) 37(5.8,-4.5) 38(6.2,3.7) 39(6.6,-4.5) 40(7,3.7) 41(7.4,-4.5) 42(7.8,3.7) 43(8.2,-4.5) 44(8.6,3.7) 45(9,-4.5) 46(9.4,3.7) 47(9.8,-4.5) 48(10.2,3.7) 49(10.6,-4.5) 50(11,3.7) 51(11.4,-4.5) 52(11.8,3.7)
  rect 2.3x3.2 smd paste+0 mask+0: 53(-14.65,-3.9) 54(14.65,-3.9)
  round 5.3 hole 3 unplated: MH1(-12.1,47.65) MH2(12.1,47.65)
  round 1.6 hole 1.6 unplated paste-1000 mask+0: ""(-12.5,-0.4)
  round 1.1 hole 1.1 unplated paste-1000 mask+0: ""(12.5,-0.4)
  KeepOutLayer region: -9.2,44.75 -15,44.75 -15,50.55 -9.2,50.55 hole: -12.1,48.961 -12.439,48.917 -12.756,48.786 -13.027,48.577 -13.236,48.306 -13.367,47.989 -13.411,47.65 -13.367,47.311 -13.236,46.994 -13.027,46.723 -12.756,46.514 -12.439,46.383 -12.1,46.339 -11.761,46.383 -11.444,46.514 -11.173,46.723 -10.964,46.994 -10.833,47.311 -10.789,47.65 -10.833,47.989 -10.964,48.306 -11.173,48.577 -11.444,48.786 -11.761,48.917
  KeepOutLayer region: 9.2,44.75 9.2,50.55 15,50.55 15,44.75 hole: 13.411,47.65 13.367,47.989 13.236,48.306 13.027,48.577 12.756,48.786 12.439,48.917 12.1,48.961 11.761,48.917 11.444,48.786 11.173,48.577 10.964,48.306 10.833,47.989 10.789,47.65 10.833,47.311 10.964,46.994 11.173,46.723 11.444,46.514 11.761,46.383 12.1,46.339 12.439,46.383 12.756,46.514 13.027,46.723 13.236,46.994 13.367,47.311
  silkscreen extent -15.1,-6.22 15.1,4.2, body extent -15.19,-4.98 15.35,50.4, height 6.63
MMCX_UFL_conn_u [mm]
  rect 1.55x1 smd mask+0.05: 1(0,1.7) 2(0,-1.7)
  rect 1.2x1.2 smd mask+0.05: 1(0,1.6) 2(0,-1.6)
  rect 1.2x1.6 smd mask+0.05: 2(-1.7,0) 2(1.7,0)
  rect 1.2x2.15 smd mask+0.05: 2(-1.4,0) 2(1.4,0)
  silkscreen extent -2.3,-2.2 2.3,2.2, body extent -1.5,-1.55 1.5,1.55, height 1.25